# KiCad board TI-CUBE-Protoboard.kicad_pcb (continued)
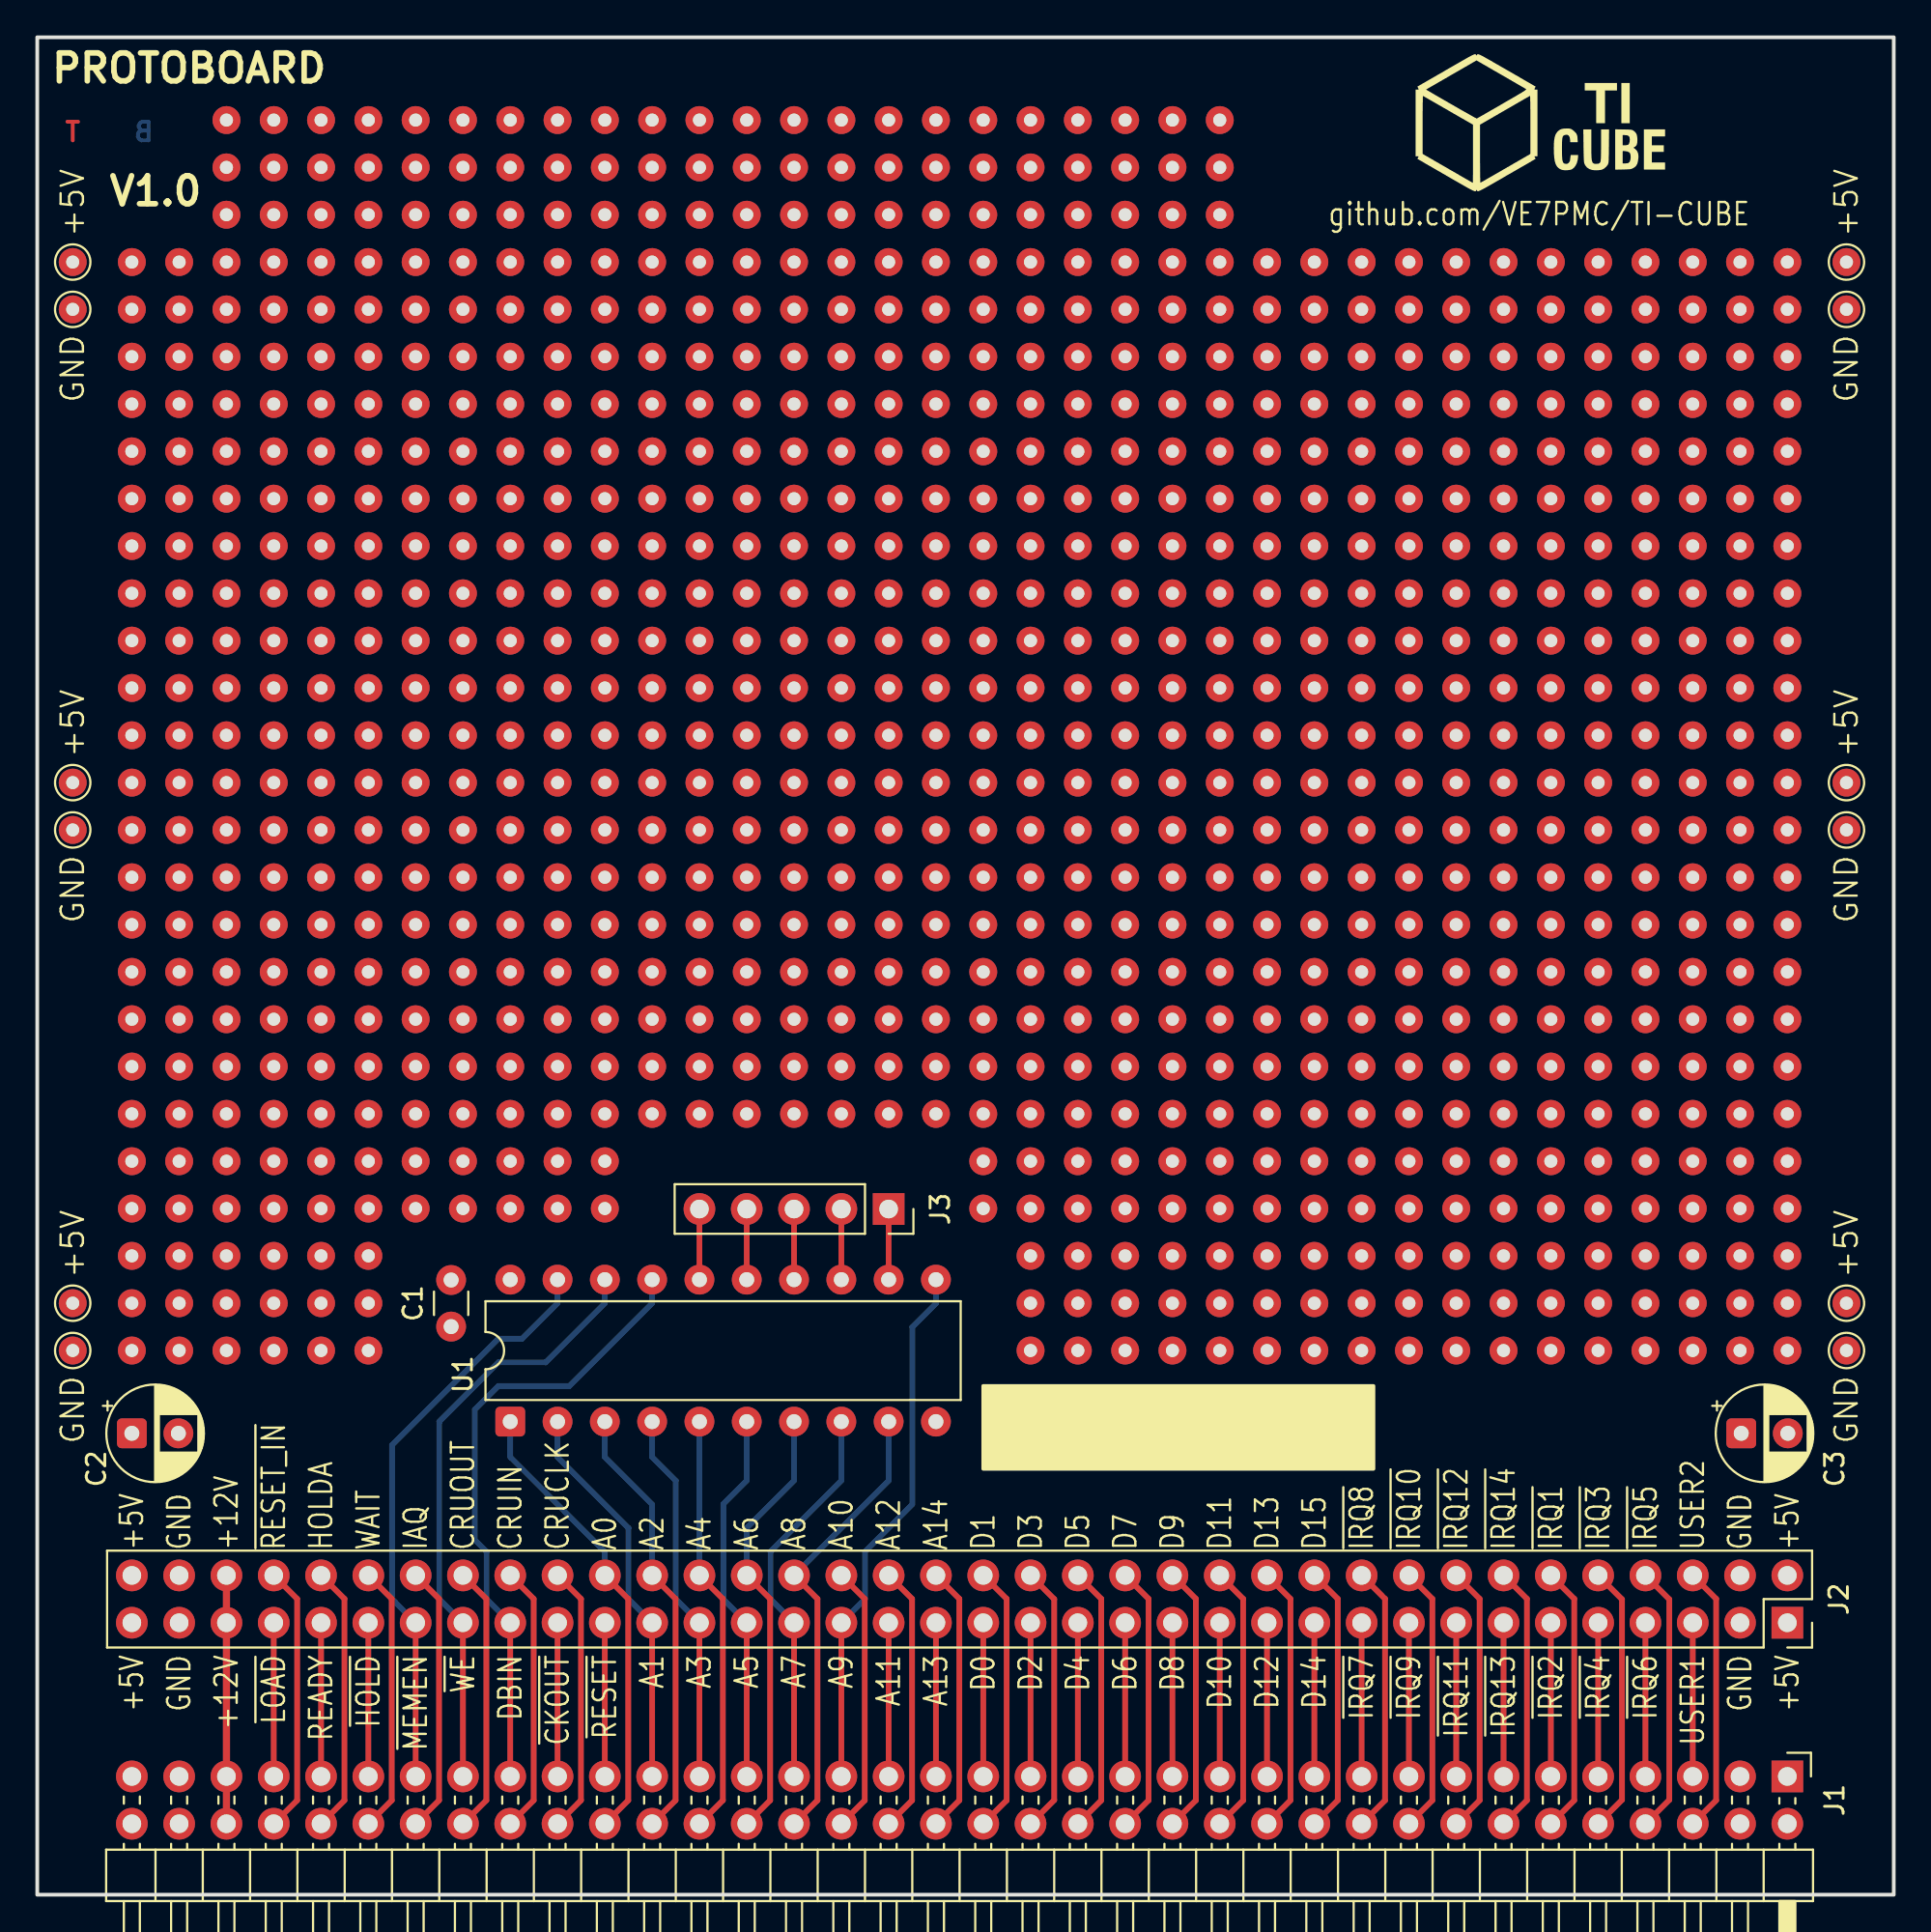
[diagram p0: board, top side]
## Placement (name value [footprint] x y rotation side) (continued)
REF**#238  -  [TestPoint_THTPad_D1.5mm_Drill0.7mm]  15.24 85.09 0 top
REF**#239  -  [TestPoint_THTPad_D1.5mm_Drill0.7mm]  88.9 54.61 0 top
REF**#240  -  [TestPoint_THTPad_D1.5mm_Drill0.7mm]  35.56 62.23 0 top
REF**#241  -  [TestPoint_THTPad_D1.5mm_Drill0.7mm]  5.08 52.07 0 top
REF**#242  -  [TestPoint_THTPad_D1.5mm_Drill0.7mm]  93.98 67.31 0 top
REF**#243  -  [TestPoint_THTPad_D1.5mm_Drill0.7mm]  7.62 54.61 0 top
REF**#244  -  [TestPoint_THTPad_D1.5mm_Drill0.7mm]  93.98 82.55 0 top
REF**#245  -  [TestPoint_THTPad_D1.5mm_Drill0.7mm]  50.8 64.77 0 top
REF**#246  -  [TestPoint_THTPad_D1.5mm_Drill0.7mm]  22.86 90.17 0 top
REF**#247  -  [TestPoint_THTPad_D1.5mm_Drill0.7mm]  30.48 74.93 0 top
REF**#248  -  [TestPoint_THTPad_D1.5mm_Drill0.7mm]  50.8 57.15 0 top
REF**#249  -  [TestPoint_THTPad_D1.5mm_Drill0.7mm]  58.42 69.85 0 top
REF**#250  -  [TestPoint_THTPad_D1.5mm_Drill0.7mm]  81.28 49.53 0 top
REF**#251  -  [TestPoint_THTPad_D1.5mm_Drill0.7mm]  81.28 31.75 0 top
REF**#252  -  [TestPoint_THTPad_D1.5mm_Drill0.7mm]  50.8 49.53 0 top
REF**#253  -  [TestPoint_THTPad_D1.5mm_Drill0.7mm]  22.86 67.31 0 top
REF**#254  -  [TestPoint_THTPad_D1.5mm_Drill0.7mm]  63.5 80.01 0 top
REF**#255  -  [TestPoint_THTPad_D1.5mm_Drill0.7mm]  45.72 64.77 0 top
REF**#256  -  [TestPoint_THTPad_D1.5mm_Drill0.7mm]  88.9 85.09 0 top
REF**#257  -  [TestPoint_THTPad_D1.5mm_Drill0.7mm]  38.1 46.99 0 top
REF**#258  -  [TestPoint_THTPad_D1.5mm_Drill0.7mm]  91.44 77.47 0 top
REF**#259  -  [TestPoint_THTPad_D1.5mm_Drill0.7mm]  66.04 54.61 0 top
REF**#260  -  [TestPoint_THTPad_D1.5mm_Drill0.7mm]  33.02 90.17 0 top
REF**#261  -  [TestPoint_THTPad_D1.5mm_Drill0.7mm]  66.04 52.07 0 top
REF**#262  -  [TestPoint_THTPad_D1.5mm_Drill0.7mm]  71.12 59.69 0 top
REF**#263  -  [TestPoint_THTPad_D1.5mm_Drill0.7mm]  17.78 74.93 0 top
REF**#264  -  [TestPoint_THTPad_D1.5mm_Drill0.7mm]  78.74 44.45 0 top
REF**#265  -  [TestPoint_THTPad_D1.5mm_Drill0.7mm]  83.82 69.85 0 top
REF**#266  -  [TestPoint_THTPad_D1.5mm_Drill0.7mm]  40.64 59.69 0 top
REF**#267  -  [TestPoint_THTPad_D1.5mm_Drill0.7mm]  12.7 64.77 0 top
REF**#268  -  [TestPoint_THTPad_D1.5mm_Drill0.7mm]  71.12 69.85 0 top
REF**#269  -  [TestPoint_THTPad_D1.5mm_Drill0.7mm]  88.9 64.77 0 top
REF**#270  -  [TestPoint_THTPad_D1.5mm_Drill0.7mm]  88.9 87.63 0 top
REF**#271  -  [TestPoint_THTPad_D1.5mm_Drill0.7mm]  58.42 52.07 0 top
REF**#272  -  [TestPoint_THTPad_D1.5mm_Drill0.7mm]  17.78 52.07 0 top
REF**#273  -  [TestPoint_THTPad_D1.5mm_Drill0.7mm]  15.24 90.17 0 top
REF**#274  -  [TestPoint_THTPad_D1.5mm_Drill0.7mm]  15.24 34.29 0 top
REF**#275  -  [TestPoint_THTPad_D1.5mm_Drill0.7mm]  17.78 36.83 0 top
REF**#276  -  [TestPoint_THTPad_D1.5mm_Drill0.7mm]  38.1 72.39 0 top
REF**#277  -  [TestPoint_THTPad_D1.5mm_Drill0.7mm]  12.7 44.45 0 top
REF**#278  -  [TestPoint_THTPad_D1.5mm_Drill0.7mm]  43.18 80.01 0 top
REF**#279  -  [TestPoint_THTPad_D1.5mm_Drill0.7mm]  66.04 74.93 0 top
REF**#280  -  [TestPoint_THTPad_D1.5mm_Drill0.7mm]  20.32 64.77 0 top
REF**#281  -  [TestPoint_THTPad_D1.5mm_Drill0.7mm]  30.48 72.39 0 top
REF**#282  -  [TestPoint_THTPad_D1.5mm_Drill0.7mm]  43.18 90.17 0 top
REF**#283  -  [TestPoint_THTPad_D1.5mm_Drill0.7mm]  88.9 74.93 0 top
REF**#284  -  [TestPoint_THTPad_D1.5mm_Drill0.7mm]  35.56 44.45 0 top
REF**#285  -  [TestPoint_THTPad_D1.5mm_Drill0.7mm]  76.2 52.07 0 top
REF**#286  -  [TestPoint_THTPad_D1.5mm_Drill0.7mm]  76.2 34.29 0 top
REF**#287  -  [TestPoint_THTPad_D1.5mm_Drill0.7mm]  50.8 80.01 0 top
REF**#288  -  [TestPoint_THTPad_D1.5mm_Drill0.7mm]  88.9 57.15 0 top
REF**#289  -  [TestPoint_THTPad_D1.5mm_Drill0.7mm]  27.94 44.45 0 top
REF**#290  -  [TestPoint_THTPad_D1.5mm_Drill0.7mm]  55.88 85.09 0 top
REF**#291  -  [TestPoint_THTPad_D1.5mm_Drill0.7mm]  53.34 85.09 0 top
REF**#292  -  [TestPoint_THTPad_D1.5mm_Drill0.7mm]  43.18 46.99 0 top
REF**#293  -  [TestPoint_THTPad_D1.5mm_Drill0.7mm]  45.72 95.25 0 top
REF**#294  -  [TestPoint_THTPad_D1.5mm_Drill0.7mm]  43.18 92.71 0 top
REF**#295  -  [TestPoint_THTPad_D1.5mm_Drill0.7mm]  53.34 77.47 0 top
REF**#296  -  [TestPoint_THTPad_D1.5mm_Drill0.7mm]  63.5 29.21 0 top
REF**#297  -  [TestPoint_THTPad_D1.5mm_Drill0.7mm]  45.72 59.69 0 top
REF**#298  -  [TestPoint_THTPad_D1.5mm_Drill0.7mm]  81.28 85.09 0 top
REF**#299  -  [TestPoint_THTPad_D1.5mm_Drill0.7mm]  17.78 46.99 0 top
REF**#300  -  [TestPoint_THTPad_D1.5mm_Drill0.7mm]  78.74 36.83 0 top
REF**#301  -  [TestPoint_THTPad_D1.5mm_Drill0.7mm]  68.58 82.55 0 top
REF**#302  -  [TestPoint_THTPad_D1.5mm_Drill0.7mm]  15.24 87.63 0 top
REF**#303  -  [TestPoint_THTPad_D1.5mm_Drill0.7mm]  88.9 36.83 0 top
REF**#304  -  [TestPoint_THTPad_D1.5mm_Drill0.7mm]  25.4 82.55 0 top
REF**#305  -  [TestPoint_THTPad_D1.5mm_Drill0.7mm]  81.28 41.91 0 top
REF**#306  -  [TestPoint_THTPad_D1.5mm_Drill0.7mm]  27.94 52.07 0 top
REF**#307  -  [TestPoint_THTPad_D1.5mm_Drill0.7mm]  38.1 49.53 0 top
REF**#308  -  [TestPoint_THTPad_D1.5mm_Drill0.7mm]  68.58 72.39 0 top
REF**#309  -  [TestPoint_THTPad_D1.5mm_Drill0.7mm]  76.2 87.63 0 top
REF**#310  -  [TestPoint_THTPad_D1.5mm_Drill0.7mm]  48.26 82.55 0 top
REF**#311  -  [TestPoint_THTPad_D1.5mm_Drill0.7mm]  76.2 74.93 0 top
REF**#312  -  [TestPoint_THTPad_D1.5mm_Drill0.7mm]  86.36 52.07 0 top
REF**#313  -  [TestPoint_THTPad_D1.5mm_Drill0.7mm]  63.5 72.39 0 top
REF**#314  -  [TestPoint_THTPad_D1.5mm_Drill0.7mm]  27.94 90.17 0 top
REF**#315  -  [TestPoint_THTPad_D1.5mm_Drill0.7mm]  35.56 41.91 0 top
REF**#316  -  [TestPoint_THTPad_D1.5mm_Drill0.7mm]  17.78 57.15 0 top
REF**#317  -  [TestPoint_THTPad_D1.5mm_Drill0.7mm]  50.8 74.93 0 top
REF**#318  -  [TestPoint_THTPad_D1.5mm_Drill0.7mm]  20.32 72.39 0 top
REF**#319  -  [TestPoint_THTPad_D1.5mm_Drill0.7mm]  55.88 59.69 0 top
REF**#320  -  [TestPoint_THTPad_D1.5mm_Drill0.7mm]  68.58 29.21 0 top
REF**#321  -  [TestPoint_THTPad_D1.5mm_Drill0.7mm]  33.02 52.07 0 top
REF**#322  -  [TestPoint_THTPad_D1.5mm_Drill0.7mm]  88.9 77.47 0 top
REF**#323  -  [TestPoint_THTPad_D1.5mm_Drill0.7mm]  58.42 36.83 0 top
REF**#324  -  [TestPoint_THTPad_D1.5mm_Drill0.7mm]  53.34 44.45 0 top
REF**#325  -  [TestPoint_THTPad_D1.5mm_Drill0.7mm]  33.02 46.99 0 top
REF**#326  -  [TestPoint_THTPad_D1.5mm_Drill0.7mm]  10.16 80.01 0 top
REF**#327  -  [TestPoint_THTPad_D1.5mm_Drill0.7mm]  76.2 67.31 0 top
REF**#328  -  [TestPoint_THTPad_D1.5mm_Drill0.7mm]  73.66 74.93 0 top
REF**#329  -  [TestPoint_THTPad_D1.5mm_Drill0.7mm]  20.32 46.99 0 top
REF**#330  -  [TestPoint_THTPad_D1.5mm_Drill0.7mm]  22.86 82.55 0 top
REF**#331  -  [TestPoint_THTPad_D1.5mm_Drill0.7mm]  12.7 36.83 0 top
REF**#332  -  [TestPoint_THTPad_D1.5mm_Drill0.7mm]  20.32 87.63 0 top
REF**#333  -  [TestPoint_THTPad_D1.5mm_Drill0.7mm]  50.8 62.23 0 top
REF**#334  -  [TestPoint_THTPad_D1.5mm_Drill0.7mm]  78.74 29.21 0 top
REF**#335  -  [TestPoint_THTPad_D1.5mm_Drill0.7mm]  76.2 44.45 0 top
REF**#336  -  [TestPoint_THTPad_D1.5mm_Drill0.7mm]  5.08 59.69 0 top
REF**#337  -  [TestPoint_THTPad_D1.5mm_Drill0.7mm]  60.96 46.99 0 top
REF**#338  -  [TestPoint_THTPad_D1.5mm_Drill0.7mm]  40.64 72.39 0 top
REF**#339  -  [TestPoint_THTPad_D1.5mm_Drill0.7mm]  73.66 41.91 0 top
REF**#340  -  [TestPoint_THTPad_D1.5mm_Drill0.7mm]  38.1 44.45 0 top
REF**#341  -  [TestPoint_THTPad_D1.5mm_Drill0.7mm]  7.62 41.91 0 top
REF**#342  -  [TestPoint_THTPad_D1.5mm_Drill0.7mm]  53.34 31.75 0 top
REF**#343  -  [TestPoint_THTPad_D1.5mm_Drill0.7mm]  12.7 72.39 0 top
REF**#344  -  [TestPoint_THTPad_D1.5mm_Drill0.7mm]  40.64 69.85 0 top
REF**#345  -  [TestPoint_THTPad_D1.5mm_Drill0.7mm]  50.8 59.69 0 top
REF**#346  -  [TestPoint_THTPad_D1.5mm_Drill0.7mm]  58.42 92.71 0 top
REF**#347  -  [TestPoint_THTPad_D1.5mm_Drill0.7mm]  63.5 92.71 0 top
REF**#348  -  [TestPoint_THTPad_D1.5mm_Drill0.7mm]  58.42 62.23 0 top
REF**#349  -  [TestPoint_THTPad_D1.5mm_Drill0.7mm]  17.78 85.09 0 top
REF**#350  -  [TestPoint_THTPad_D1.5mm_Drill0.7mm]  91.44 34.29 0 top
REF**#351  -  [TestPoint_THTPad_D1.5mm_Drill0.7mm]  60.96 54.61 0 top
REF**#352  -  [TestPoint_THTPad_D1.5mm_Drill0.7mm]  71.12 82.55 0 top
REF**#353  -  [TestPoint_THTPad_D1.5mm_Drill0.7mm]  48.26 92.71 0 top
REF**#354  -  [TestPoint_THTPad_D1.5mm_Drill0.7mm]  5.08 69.85 0 top
REF**#355  -  [TestPoint_THTPad_D1.5mm_Drill0.7mm]  68.58 67.31 0 top
REF**#356  -  [TestPoint_THTPad_D1.5mm_Drill0.7mm]  10.16 72.39 0 top
REF**#357  -  [TestPoint_THTPad_D1.5mm_Drill0.7mm]  68.58 52.07 0 top
REF**#358  -  [TestPoint_THTPad_D1.5mm_Drill0.7mm]  55.88 31.75 0 top
REF**#359  -  [TestPoint_THTPad_D1.5mm_Drill0.7mm]  17.78 29.21 0 top
REF**#360  -  [TestPoint_THTPad_D1.5mm_Drill0.7mm]  58.42 90.17 0 top
REF**#361  -  [TestPoint_THTPad_D1.5mm_Drill0.7mm]  7.62 34.29 0 top
REF**#362  -  [TestPoint_THTPad_D1.5mm_Drill0.7mm]  5.08 74.93 0 top
REF**#363  -  [TestPoint_THTPad_D1.5mm_Drill0.7mm]  33.02 74.93 0 top
REF**#364  -  [TestPoint_THTPad_D1.5mm_Drill0.7mm]  71.12 41.91 0 top
REF**#365  -  [TestPoint_THTPad_D1.5mm_Drill0.7mm]  86.36 31.75 0 top
REF**#366  -  [TestPoint_THTPad_D1.5mm_Drill0.7mm]  55.88 39.37 0 top
REF**#367  -  [TestPoint_THTPad_D1.5mm_Drill0.7mm]  25.4 74.93 0 top
REF**#368  -  [TestPoint_THTPad_D1.5mm_Drill0.7mm]  48.26 62.23 0 top
REF**#369  -  [TestPoint_THTPad_D1.5mm_Drill0.7mm]  20.32 49.53 0 top
REF**#370  -  [TestPoint_THTPad_D1.5mm_Drill0.7mm]  50.8 90.17 0 top
REF**#371  -  [TestPoint_THTPad_D1.5mm_Drill0.7mm]  48.26 49.53 0 top
REF**#372  -  [TestPoint_THTPad_D1.5mm_Drill0.7mm]  35.56 90.17 0 top
REF**#373  -  [TestPoint_THTPad_D1.5mm_Drill0.7mm]  60.96 31.75 0 top
REF**#374  -  [TestPoint_THTPad_D1.5mm_Drill0.7mm]  30.48 44.45 0 top
REF**#375  -  [TestPoint_THTPad_D1.5mm_Drill0.7mm]  15.24 67.31 0 top
REF**#376  -  [TestPoint_THTPad_D1.5mm_Drill0.7mm]  43.18 77.47 0 top
REF**#377  -  [TestPoint_THTPad_D1.5mm_Drill0.7mm]  91.44 57.15 0 top
REF**#378  -  [TestPoint_THTPad_D1.5mm_Drill0.7mm]  43.18 54.61 0 top
REF**#379  -  [TestPoint_THTPad_D1.5mm_Drill0.7mm]  27.94 39.37 0 top
REF**#380  -  [TestPoint_THTPad_D1.5mm_Drill0.7mm]  53.34 95.25 0 top
REF**#381  -  [TestPoint_THTPad_D1.5mm_Drill0.7mm]  58.42 74.93 0 top
REF**#382  -  [TestPoint_THTPad_D1.5mm_Drill0.7mm]  63.5 77.47 0 top
REF**#383  -  [TestPoint_THTPad_D1.5mm_Drill0.7mm]  50.8 54.61 0 top
REF**#384  -  [TestPoint_THTPad_D1.5mm_Drill0.7mm]  48.26 54.61 0 top
REF**#385  -  [TestPoint_THTPad_D1.5mm_Drill0.7mm]  38.1 54.61 0 top
REF**#386  -  [TestPoint_THTPad_D1.5mm_Drill0.7mm]  25.4 52.07 0 top
REF**#387  -  [TestPoint_THTPad_D1.5mm_Drill0.7mm]  25.4 95.25 0 top
REF**#388  -  [TestPoint_THTPad_D1.5mm_Drill0.7mm]  68.58 39.37 0 top
REF**#389  -  [TestPoint_THTPad_D1.5mm_Drill0.7mm]  45.72 90.17 0 top
REF**#390  -  [TestPoint_THTPad_D1.5mm_Drill0.7mm]  73.66 39.37 0 top
REF**#391  -  [TestPoint_THTPad_D1.5mm_Drill0.7mm]  20.32 54.61 0 top
REF**#392  -  [TestPoint_THTPad_D1.5mm_Drill0.7mm]  60.96 82.55 0 top
REF**#393  -  [TestPoint_THTPad_D1.5mm_Drill0.7mm]  88.9 59.69 0 top
REF**#394  -  [TestPoint_THTPad_D1.5mm_Drill0.7mm]  81.28 44.45 0 top
REF**#395  -  [TestPoint_THTPad_D1.5mm_Drill0.7mm]  63.5 67.31 0 top
REF**#396  -  [TestPoint_THTPad_D1.5mm_Drill0.7mm]  55.88 29.21 0 top
REF**#397  -  [TestPoint_THTPad_D1.5mm_Drill0.7mm]  27.94 41.91 0 top
REF**#398  -  [TestPoint_THTPad_D1.5mm_Drill0.7mm]  66.04 62.23 0 top
REF**#399  -  [TestPoint_THTPad_D1.5mm_Drill0.7mm]  33.02 64.77 0 top
REF**#400  -  [TestPoint_THTPad_D1.5mm_Drill0.7mm]  40.64 49.53 0 top
REF**#401  -  [TestPoint_THTPad_D1.5mm_Drill0.7mm]  53.34 92.71 0 top
REF**#402  -  [TestPoint_THTPad_D1.5mm_Drill0.7mm]  88.9 72.39 0 top
REF**#403  -  [TestPoint_THTPad_D1.5mm_Drill0.7mm]  45.72 82.55 0 top
REF**#404  -  [TestPoint_THTPad_D1.5mm_Drill0.7mm]  43.18 52.07 0 top
REF**#405  -  [TestPoint_THTPad_D1.5mm_Drill0.7mm]  25.4 92.71 0 top
REF**#406  -  [TestPoint_THTPad_D1.5mm_Drill0.7mm]  76.2 77.47 0 top
REF**#407  -  [TestPoint_THTPad_D1.5mm_Drill0.7mm]  33.02 82.55 0 top
REF**#408  -  [TestPoint_THTPad_D1.5mm_Drill0.7mm]  38.1 57.15 0 top
REF**#409  -  [TestPoint_THTPad_D1.5mm_Drill0.7mm]  93.98 39.37 0 top
REF**#410  -  [TestPoint_THTPad_D1.5mm_Drill0.7mm]  91.44 52.07 0 top
REF**#411  -  [TestPoint_THTPad_D1.5mm_Drill0.7mm]  10.16 54.61 0 top
REF**#412  -  [TestPoint_THTPad_D1.5mm_Drill0.7mm]  71.12 34.29 0 top
REF**#413  -  [TestPoint_THTPad_D1.5mm_Drill0.7mm]  58.42 57.15 0 top
REF**#414  -  [TestPoint_THTPad_D1.5mm_Drill0.7mm]  12.7 54.61 0 top
REF**#415  -  [TestPoint_THTPad_D1.5mm_Drill0.7mm]  7.62 44.45 0 top
REF**#416  -  [TestPoint_THTPad_D1.5mm_Drill0.7mm]  20.32 95.25 0 top
REF**#417  -  [TestPoint_THTPad_D1.5mm_Drill0.7mm]  22.86 64.77 0 top
REF**#418  -  [TestPoint_THTPad_D1.5mm_Drill0.7mm]  17.78 54.61 0 top
REF**#419  -  [TestPoint_THTPad_D1.5mm_Drill0.7mm]  17.78 49.53 0 top
REF**#420  -  [TestPoint_THTPad_D1.5mm_Drill0.7mm]  30.48 57.15 0 top
REF**#421  -  [TestPoint_THTPad_D1.5mm_Drill0.7mm]  63.5 87.63 0 top
REF**#422  -  [TestPoint_THTPad_D1.5mm_Drill0.7mm]  71.12 39.37 0 top
REF**#423  -  [TestPoint_THTPad_D1.5mm_Drill0.7mm]  78.74 69.85 0 top
REF**#424  -  [TestPoint_THTPad_D1.5mm_Drill0.7mm]  78.74 39.37 0 top
REF**#425  -  [TestPoint_THTPad_D1.5mm_Drill0.7mm]  86.36 80.01 0 top
REF**#426  -  [TestPoint_THTPad_D1.5mm_Drill0.7mm]  5.08 39.37 0 top
REF**#427  -  [TestPoint_THTPad_D1.5mm_Drill0.7mm]  10.16 90.17 0 top
REF**#428  -  [TestPoint_THTPad_D1.5mm_Drill0.7mm]  5.08 62.23 0 top
REF**#429  -  [TestPoint_THTPad_D1.5mm_Drill0.7mm]  38.1 59.69 0 top
REF**#430  -  [TestPoint_THTPad_D1.5mm_Drill0.7mm]  22.86 77.47 0 top
REF**#431  -  [TestPoint_THTPad_D1.5mm_Drill0.7mm]  81.28 57.15 0 top
REF**#432  -  [TestPoint_THTPad_D1.5mm_Drill0.7mm]  20.32 36.83 0 top
REF**#433  -  [TestPoint_THTPad_D1.5mm_Drill0.7mm]  76.2 62.23 0 top
REF**#434  -  [TestPoint_THTPad_D1.5mm_Drill0.7mm]  40.64 90.17 0 top
REF**#435  -  [TestPoint_THTPad_D1.5mm_Drill0.7mm]  40.64 77.47 0 top
REF**#436  -  [TestPoint_THTPad_D1.5mm_Drill0.7mm]  93.98 41.91 0 top
REF**#437  -  [TestPoint_THTPad_D1.5mm_Drill0.7mm]  68.58 36.83 0 top
REF**#438  -  [TestPoint_THTPad_D1.5mm_Drill0.7mm]  73.66 54.61 0 top
REF**#439  -  [TestPoint_THTPad_D1.5mm_Drill0.7mm]  86.36 67.31 0 top
REF**#440  -  [TestPoint_THTPad_D1.5mm_Drill0.7mm]  71.12 74.93 0 top
REF**#441  -  [TestPoint_THTPad_D1.5mm_Drill0.7mm]  58.42 46.99 0 top
REF**#442  -  [TestPoint_THTPad_D1.5mm_Drill0.7mm]  48.26 67.31 0 top
REF**#443  -  [TestPoint_THTPad_D1.5mm_Drill0.7mm]  25.4 67.31 0 top
REF**#444  -  [TestPoint_THTPad_D1.5mm_Drill0.7mm]  60.96 87.63 0 top
REF**#445  -  [TestPoint_THTPad_D1.5mm_Drill0.7mm]  60.96 85.09 0 top
REF**#446  -  [TestPoint_THTPad_D1.5mm_Drill0.7mm]  20.32 74.93 0 top
REF**#447  -  [TestPoint_THTPad_D1.5mm_Drill0.7mm]  7.62 64.77 0 top
REF**#448  -  [TestPoint_THTPad_D1.5mm_Drill0.7mm]  53.34 34.29 0 top
REF**#449  -  [TestPoint_THTPad_D1.5mm_Drill0.7mm]  22.86 57.15 0 top
REF**#450  -  [TestPoint_THTPad_D1.5mm_Drill0.7mm]  43.18 82.55 0 top
REF**#451  -  [TestPoint_THTPad_D1.5mm_Drill0.7mm]  91.44 59.69 0 top
REF**#452  -  [TestPoint_THTPad_D1.5mm_Drill0.7mm]  76.2 49.53 0 top
REF**#453  -  [TestPoint_THTPad_D1.5mm_Drill0.7mm]  10.16 44.45 0 top
REF**#454  -  [TestPoint_THTPad_D1.5mm_Drill0.7mm]  25.4 80.01 0 top
REF**#455  -  [TestPoint_THTPad_D1.5mm_Drill0.7mm]  45.72 52.07 0 top
REF**#456  -  [TestPoint_THTPad_D1.5mm_Drill0.7mm]  27.94 64.77 0 top
REF**#457  -  [TestPoint_THTPad_D1.5mm_Drill0.7mm]  10.16 59.69 0 top
REF**#458  -  [TestPoint_THTPad_D1.5mm_Drill0.7mm]  63.5 74.93 0 top
REF**#459  -  [TestPoint_THTPad_D1.5mm_Drill0.7mm]  35.56 59.69 0 top
REF**#460  -  [TestPoint_THTPad_D1.5mm_Drill0.7mm]  43.18 74.93 0 top
REF**#461  -  [LayerMarker_4_6.35x2.54mm_TextH1mm_P1.27mm_Named_BottomMirrored]  1.91 93.35 0 top
REF**#462  -  [TestPoint_THTPad_D1.5mm_Drill0.7mm]  55.88 82.55 0 top
REF**#463  -  [TestPoint_THTPad_D1.5mm_Drill0.7mm]  33.02 44.45 0 top
REF**#464  -  [TestPoint_THTPad_D1.5mm_Drill0.7mm]  91.44 69.85 0 top
REF**#465  -  [TestPoint_THTPad_D1.5mm_Drill0.7mm]  76.2 54.61 0 top
REF**#466  -  [TestPoint_THTPad_D1.5mm_Drill0.7mm]  7.62 36.83 0 top
REF**#467  -  [TestPoint_THTPad_D1.5mm_Drill0.7mm]  25.4 46.99 0 top
REF**#468  -  [TestPoint_THTPad_D1.5mm_Drill0.7mm]  15.24 29.21 0 top
REF**#469  -  [TestPoint_THTPad_D1.5mm_Drill0.7mm]  45.72 49.53 0 top
REF**#470  -  [TestPoint_THTPad_D1.5mm_Drill0.7mm]  30.48 82.55 0 top
REF**#471  -  [TestPoint_THTPad_D1.5mm_Drill0.7mm]  53.34 82.55 0 top
REF**#472  -  [TestPoint_THTPad_D1.5mm_Drill0.7mm]  48.26 41.91 0 top
REF**#473  -  [TestPoint_THTPad_D1.5mm_Drill0.7mm]  38.1 80.01 0 top
REF**#474  -  [TestPoint_THTPad_D1.5mm_Drill0.7mm]  12.7 49.53 0 top
REF**#475  -  [TestPoint_THTPad_D1.5mm_Drill0.7mm]  12.7 80.01 0 top
REF**#476  -  [TestPoint_THTPad_D1.5mm_Drill0.7mm]  91.44 44.45 0 top
REF**#477  -  [TestPoint_THTPad_D1.5mm_Drill0.7mm]  58.42 64.77 0 top
REF**#478  -  [TestPoint_THTPad_D1.5mm_Drill0.7mm]  73.66 64.77 0 top
REF**#479  -  [TestPoint_THTPad_D1.5mm_Drill0.7mm]  17.78 64.77 0 top
REF**#480  -  [TestPoint_THTPad_D1.5mm_Drill0.7mm]  5.08 34.29 0 top
REF**#481  -  [TestPoint_THTPad_D1.5mm_Drill0.7mm]  53.34 36.83 0 top
REF**#482  -  [TestPoint_THTPad_D1.5mm_Drill0.7mm]  17.78 72.39 0 top
REF**#483  -  [TestPoint_THTPad_D1.5mm_Drill0.7mm]  63.5 82.55 0 top
REF**#484  -  [TestPoint_THTPad_D1.5mm_Drill0.7mm]  5.08 67.31 0 top
REF**#485  -  [TestPoint_THTPad_D1.5mm_Drill0.7mm]  63.5 69.85 0 top
REF**#486  -  [TestPoint_THTPad_D1.5mm_Drill0.7mm]  22.86 87.63 0 top
REF**#487  -  [TestPoint_THTPad_D1.5mm_Drill0.7mm]  58.42 49.53 0 top
REF**#488  -  [TestPoint_THTPad_D1.5mm_Drill0.7mm]  63.5 54.61 0 top
REF**#489  -  [TestPoint_THTPad_D1.5mm_Drill0.7mm]  7.62 46.99 0 top
REF**#490  -  [TestPoint_THTPad_D1.5mm_Drill0.7mm]  78.74 77.47 0 top
REF**#491  -  [TestPoint_THTPad_D1.5mm_Drill0.7mm]  60.96 72.39 0 top
REF**#492  -  [TestPoint_THTPad_D1.5mm_Drill0.7mm]  17.78 39.37 0 top
REF**#493  -  [TestPoint_THTPad_D1.5mm_Drill0.7mm]  15.24 36.83 0 top
REF**#494  -  [TestPoint_THTPad_D1.5mm_Drill0.7mm]  10.16 92.71 0 top
REF**#495  -  [TestPoint_THTPad_D1.5mm_Drill0.7mm]  93.98 54.61 0 top
REF**#496  -  [TestPoint_THTPad_D1.5mm_Drill0.7mm]  86.36 62.23 0 top
REF**#497  -  [TestPoint_THTPad_D1.5mm_Drill0.7mm]  10.16 77.47 0 top
REF**#498  -  [TestPoint_THTPad_D1.5mm_Drill0.7mm]  25.4 39.37 0 top
REF**#499  -  [TestPoint_THTPad_D1.5mm_Drill0.7mm]  22.86 39.37 0 top
REF**#500  -  [TestPoint_THTPad_D1.5mm_Drill0.7mm]  55.88 92.71 0 top
REF**#501  -  [TestPoint_THTPad_D1.5mm_Drill0.7mm]  15.24 31.75 0 top
REF**#502  -  [TestPoint_THTPad_D1.5mm_Drill0.7mm]  7.62 52.07 0 top
REF**#503  -  [TestPoint_THTPad_D1.5mm_Drill0.7mm]  63.5 52.07 0 top
REF**#504  -  [TestPoint_THTPad_D1.5mm_Drill0.7mm]  76.2 80.01 0 top
REF**#505  -  [TestPoint_THTPad_D1.5mm_Drill0.7mm]  58.42 95.25 0 top
REF**#506  -  [TestPoint_THTPad_D1.5mm_Drill0.7mm]  15.24 46.99 0 top
REF**#507  -  [TestPoint_THTPad_D1.5mm_Drill0.7mm]  30.48 87.63 0 top
REF**#508  -  [TestPoint_THTPad_D1.5mm_Drill0.7mm]  15.24 52.07 0 top
REF**#509  -  [TestPoint_THTPad_D1.5mm_Drill0.7mm]  66.04 46.99 0 top
REF**#510  -  [TestPoint_THTPad_D1.5mm_Drill0.7mm]  93.98 34.29 0 top
REF**#511  -  [TestPoint_THTPad_D1.5mm_Drill0.7mm]  33.02 41.91 0 top
REF**#512  -  [TestPoint_THTPad_D1.5mm_Drill0.7mm]  53.34 64.77 0 top
REF**#513  -  [TestPoint_THTPad_D1.5mm_Drill0.7mm]  86.36 82.55 0 top
REF**#514  -  [TestPoint_THTPad_D1.5mm_Drill0.7mm]  76.2 59.69 0 top
REF**#515  -  [TestPoint_THTPad_D1.5mm_Drill0.7mm]  86.36 44.45 0 top
REF**#516  -  [TestPoint_THTPad_D1.5mm_Drill0.7mm]  73.66 46.99 0 top
REF**#517  -  [TestPoint_THTPad_D1.5mm_Drill0.7mm]  43.18 64.77 0 top
REF**#518  -  [TestPoint_THTPad_D1.5mm_Drill0.7mm]  33.02 69.85 0 top
REF**#519  -  [TestPoint_THTPad_D1.5mm_Drill0.7mm]  43.18 62.23 0 top
REF**#520  -  [TestPoint_THTPad_D1.5mm_Drill0.7mm]  48.26 52.07 0 top
REF**#521  -  [TestPoint_THTPad_D1.5mm_Drill0.7mm]  38.1 74.93 0 top
REF**#522  -  [TestPoint_THTPad_D1.5mm_Drill0.7mm]  15.24 49.53 0 top
REF**#523  -  [TestPoint_THTPad_D1.5mm_Drill0.7mm]  93.98 64.77 0 top
REF**#524  -  [TestPoint_THTPad_D1.5mm_Drill0.7mm]  55.88 64.77 0 top
REF**#525  -  [TestPoint_THTPad_D1.5mm_Drill0.7mm]  71.12 57.15 0 top
REF**#526  -  [TestPoint_THTPad_D1.5mm_Drill0.7mm]  63.5 39.37 0 top
REF**#527  -  [TestPoint_THTPad_D1.5mm_Drill0.7mm]  35.56 67.31 0 top
REF**#528  -  [TestPoint_THTPad_D1.5mm_Drill0.7mm]  88.9 69.85 0 top
REF**#529  -  [TestPoint_THTPad_D1.5mm_Drill0.7mm]  71.12 67.31 0 top
REF**#530  -  [TestPoint_THTPad_D1.5mm_Drill0.7mm]  86.36 72.39 0 top
REF**#531  -  [TestPoint_THTPad_D1.5mm_Drill0.7mm]  71.12 80.01 0 top
REF**#532  -  [TestPoint_THTPad_D1.5mm_Drill0.7mm]  83.82 46.99 0 top
REF**#533  -  [TestPoint_THTPad_D1.5mm_Drill0.7mm]  71.12 54.61 0 top
REF**#534  -  [TestPoint_THTPad_D1.5mm_Drill0.7mm]  63.5 41.91 0 top
REF**#535  -  [TestPoint_THTPad_D1.5mm_Drill0.7mm]  10.16 57.15 0 top
REF**#536  -  [TestPoint_THTPad_D1.5mm_Drill0.7mm]  45.72 80.01 0 top
REF**#537  -  [TestPoint_THTPad_D1.5mm_Drill0.7mm]  91.44 74.93 0 top
REF**#538  -  [TestPoint_THTPad_D1.5mm_Drill0.7mm]  86.36 46.99 0 top
REF**#539  -  [TestPoint_THTPad_D1.5mm_Drill0.7mm]  40.64 67.31 0 top
REF**#540  -  [TestPoint_THTPad_D1.5mm_Drill0.7mm]  33.02 57.15 0 top
REF**#541  -  [TestPoint_THTPad_D1.5mm_Drill0.7mm]  12.7 46.99 0 top
REF**#542  -  [TestPoint_THTPad_D1.5mm_Drill0.7mm]  10.16 64.77 0 top
REF**#543  -  [TestPoint_THTPad_D1.5mm_Drill0.7mm]  10.16 52.07 0 top
REF**#544  -  [TestPoint_THTPad_D1.5mm_Drill0.7mm]  5.08 87.63 0 top
REF**#545  -  [TestPoint_THTPad_D1.5mm_Drill0.7mm]  45.72 57.15 0 top
REF**#546  -  [TestPoint_THTPad_D1.5mm_Drill0.7mm]  20.32 44.45 0 top
REF**#547  -  [TestPoint_THTPad_D1.5mm_Drill0.7mm]  38.1 64.77 0 top
REF**#548  -  [TestPoint_THTPad_D1.5mm_Drill0.7mm]  43.18 67.31 0 top
REF**#549  -  [TestPoint_THTPad_D1.5mm_Drill0.7mm]  55.88 77.47 0 top
REF**#550  -  [TestPoint_THTPad_D1.5mm_Drill0.7mm]  27.94 74.93 0 top
REF**#551  -  [TestPoint_THTPad_D1.5mm_Drill0.7mm]  15.24 59.69 0 top
REF**#552  -  [TestPoint_THTPad_D1.5mm_Drill0.7mm]  73.66 69.85 0 top
REF**#553  -  [TestPoint_THTPad_D1.5mm_Drill0.7mm]  45.72 54.61 0 top
REF**#554  -  [TestPoint_THTPad_D1.5mm_Drill0.7mm]  78.74 46.99 0 top
REF**#555  -  [TestPoint_THTPad_D1.5mm_Drill0.7mm]  71.12 46.99 0 top
REF**#556  -  [TestPoint_THTPad_D1.5mm_Drill0.7mm]  66.04 31.75 0 top
REF**#557  -  [TestPoint_THTPad_D1.5mm_Drill0.7mm]  88.9 34.29 0 top
REF**#558  -  [TestPoint_THTPad_D1.5mm_Drill0.7mm]  50.8 92.71 0 top
REF**#559  -  [TestPoint_THTPad_D1.5mm_Drill0.7mm]  55.88 90.17 0 top
REF**#560  -  [TestPoint_THTPad_D1.5mm_Drill0.7mm]  5.08 77.47 0 top
REF**#561  -  [TestPoint_THTPad_D1.5mm_Drill0.7mm]  17.78 59.69 0 top
REF**#562  -  [TestPoint_THTPad_D1.5mm_Drill0.7mm]  30.48 69.85 0 top
REF**#563  -  [TestPoint_THTPad_D1.5mm_Drill0.7mm]  68.58 46.99 0 top
REF**#564  -  [TestPoint_THTPad_D1.5mm_Drill0.7mm]  27.94 85.09 0 top
REF**#565  -  [TestPoint_THTPad_D1.5mm_Drill0.7mm]  35.56 74.93 0 top
REF**#566  -  [TestPoint_THTPad_D1.5mm_Drill0.7mm]  63.5 44.45 0 top
REF**#567  -  [TestPoint_THTPad_D1.5mm_Drill0.7mm]  83.82 29.21 0 top
REF**#568  -  [TestPoint_THTPad_D1.5mm_Drill0.7mm]  20.32 85.09 0 top
REF**#569  -  [TestPoint_THTPad_D1.5mm_Drill0.7mm]  86.36 49.53 0 top
REF**#570  -  [TestPoint_THTPad_D1.5mm_Drill0.7mm]  58.42 72.39 0 top
REF**#571  -  [TestPoint_THTPad_D1.5mm_Drill0.7mm]  30.48 77.47 0 top
REF**#572  -  [TestPoint_THTPad_D1.5mm_Drill0.7mm]  76.2 82.55 0 top
REF**#573  -  [TestPoint_THTPad_D1.5mm_Drill0.7mm]  7.62 62.23 0 top
REF**#574  -  [TestPoint_THTPad_D1.5mm_Drill0.7mm]  22.86 54.61 0 top
REF**#575  -  [TestPoint_THTPad_D1.5mm_Drill0.7mm]  33.02 67.31 0 top
REF**#576  -  [TestPoint_THTPad_D1.5mm_Drill0.7mm]  83.82 64.77 0 top
REF**#577  -  [TestPoint_THTPad_D1.5mm_Drill0.7mm]  35.56 64.77 0 top
REF**#578  -  [TestPoint_THTPad_D1.5mm_Drill0.7mm]  10.16 82.55 0 top
REF**#579  -  [TestPoint_THTPad_D1.5mm_Drill0.7mm]  60.96 52.07 0 top
REF**#580  -  [TestPoint_THTPad_D1.5mm_Drill0.7mm]  43.18 59.69 0 top
REF**#581  -  [TestPoint_THTPad_D1.5mm_Drill0.7mm]  73.66 82.55 0 top
REF**#582  -  [TestPoint_THTPad_D1.5mm_Drill0.7mm]  68.58 64.77 0 top
REF**#583  -  [TestPoint_THTPad_D1.5mm_Drill0.7mm]  10.16 95.25 0 top
REF**#584  -  [TestPoint_THTPad_D1.5mm_Drill0.7mm]  93.98 59.69 0 top
REF**#585  -  [TestPoint_THTPad_D1.5mm_Drill0.7mm]  63.5 64.77 0 top
REF**#586  -  [TestPoint_THTPad_D1.5mm_Drill0.7mm]  53.34 46.99 0 top
REF**#587  -  [TestPoint_THTPad_D1.5mm_Drill0.7mm]  86.36 64.77 0 top
REF**#588  -  [TestPoint_THTPad_D1.5mm_Drill0.7mm]  88.9 31.75 0 top
REF**#589  -  [TestPoint_THTPad_D1.5mm_Drill0.7mm]  40.64 41.91 0 top
REF**#590  -  [TestPoint_THTPad_D1.5mm_Drill0.7mm]  68.58 54.61 0 top
REF**#591  -  [TestPoint_THTPad_D1.5mm_Drill0.7mm]  10.16 85.09 0 top
REF**#592  -  [TestPoint_THTPad_D1.5mm_Drill0.7mm]  58.42 31.75 0 top
REF**#593  -  [TestPoint_THTPad_D1.5mm_Drill0.7mm]  58.42 82.55 0 top
REF**#594  -  [TestPoint_THTPad_D1.5mm_Drill0.7mm]  66.04 59.69 0 top
REF**#595  -  [TestPoint_THTPad_D1.5mm_Drill0.7mm]  5.08 54.61 0 top
REF**#596  -  [TestPoint_THTPad_D1.5mm_Drill0.7mm]  50.8 95.25 0 top
REF**#597  -  [TestPoint_THTPad_D1.5mm_Drill0.7mm]  63.5 90.17 0 top
REF**#598  -  [TestPoint_THTPad_D1.5mm_Drill0.7mm]  30.48 39.37 0 top
REF**#599  -  [TestPoint_THTPad_D1.5mm_Drill0.7mm]  63.5 57.15 0 top
REF**#600  -  [TestPoint_THTPad_D1.5mm_Drill0.7mm]  60.96 92.71 0 top
REF**#601  -  [TestPoint_THTPad_D1.5mm_Drill0.7mm]  83.82 44.45 0 top
REF**#602  -  [TestPoint_THTPad_D1.5mm_Drill0.7mm]  63.5 62.23 0 top
REF**#603  -  [TestPoint_THTPad_D1.5mm_Drill0.7mm]  35.56 92.71 0 top
REF**#604  -  [TestPoint_THTPad_D1.5mm_Drill0.7mm]  45.72 77.47 0 top
REF**#605  -  [TestPoint_THTPad_D1.5mm_Drill0.7mm]  58.42 39.37 0 top
REF**#606  -  [TestPoint_THTPad_D1.5mm_Drill0.7mm]  73.66 80.01 0 top
REF**#607  -  [TestPoint_THTPad_D1.5mm_Drill0.7mm]  73.66 36.83 0 top
REF**#608  -  [TestPoint_THTPad_D1.5mm_Drill0.7mm]  73.66 77.47 0 top
REF**#609  -  [TestPoint_THTPad_D1.5mm_Drill0.7mm]  17.78 31.75 0 top
REF**#610  -  [TestPoint_THTPad_D1.5mm_Drill0.7mm]  93.98 80.01 0 top
REF**#611  -  [TestPoint_THTPad_D1.5mm_Drill0.7mm]  22.86 95.25 0 top
REF**#612  -  [TestPoint_THTPad_D1.5mm_Drill0.7mm]  55.88 44.45 0 top
REF**#613  -  [TestPoint_THTPad_D1.5mm_Drill0.7mm]  83.82 72.39 0 top
REF**#614  -  [TestPoint_THTPad_D1.5mm_Drill0.7mm]  73.66 87.63 0 top
REF**#615  -  [TestPoint_THTPad_D1.5mm_Drill0.7mm]  35.56 57.15 0 top
REF**#616  -  [TestPoint_THTPad_D1.5mm_Drill0.7mm]  81.28 52.07 0 top
REF**#617  -  [TestPoint_THTPad_D1.5mm_Drill0.7mm]  53.34 39.37 0 top
REF**#618  -  [TestPoint_THTPad_D1.5mm_Drill0.7mm]  81.28 64.77 0 top
REF**#619  -  [TestPoint_THTPad_D1.5mm_Drill0.7mm]  43.18 85.09 0 top
REF**#620  -  [TestPoint_THTPad_D1.5mm_Drill0.7mm]  93.98 49.53 0 top
REF**#621  -  [TestPoint_THTPad_D1.5mm_Drill0.7mm]  17.78 41.91 0 top
REF**#622  -  [TestPoint_THTPad_D1.5mm_Drill0.7mm]  66.04 77.47 0 top
REF**#623  -  [TestPoint_THTPad_D1.5mm_Drill0.7mm]  81.28 80.01 0 top
REF**#624  -  [TestPoint_THTPad_D1.5mm_Drill0.7mm]  48.26 72.39 0 top
REF**#625  -  [TestPoint_THTPad_D1.5mm_Drill0.7mm]  71.12 49.53 0 top
REF**#626  -  [TestPoint_THTPad_D1.5mm_Drill0.7mm]  22.86 69.85 0 top
REF**#627  -  [TestPoint_THTPad_D1.5mm_Drill0.7mm]  63.5 34.29 0 top
REF**#628  -  [TestPoint_THTPad_D1.5mm_Drill0.7mm]  63.5 85.09 0 top
REF**#629  -  [TestPoint_THTPad_D1.5mm_Drill0.7mm]  43.18 49.53 0 top
REF**#630  -  [TestPoint_THTPad_D1.5mm_Drill0.7mm]  30.48 90.17 0 top
REF**#631  -  [TestPoint_THTPad_D1.5mm_Drill0.7mm]  17.78 62.23 0 top
REF**#632  -  [TestPoint_THTPad_D1.5mm_Drill0.7mm]  7.62 72.39 0 top
REF**#633  -  [TestPoint_THTPad_D1.5mm_Drill0.7mm]  58.42 59.69 0 top
REF**#634  -  [TestPoint_THTPad_D1.5mm_Drill0.7mm]  76.2 41.91 0 top
REF**#635  -  [TestPoint_THTPad_D1.5mm_Drill0.7mm]  78.74 59.69 0 top
REF**#636  -  [TestPoint_THTPad_D1.5mm_Drill0.7mm]  76.2 29.21 0 top
REF**#637  -  [TestPoint_THTPad_D1.5mm_Drill0.7mm]  63.5 49.53 0 top
REF**#638  -  [TestPoint_THTPad_D1.5mm_Drill0.7mm]  55.88 74.93 0 top
REF**#639  -  [TestPoint_THTPad_D1.5mm_Drill0.7mm]  86.36 34.29 0 top
REF**#640  -  [TestPoint_THTPad_D1.5mm_Drill0.7mm]  40.64 62.23 0 top
REF**#641  -  [TestPoint_THTPad_D1.5mm_Drill0.7mm]  38.1 77.47 0 top
REF**#642  -  [TestPoint_THTPad_D1.5mm_Drill0.7mm]  93.98 85.09 0 top
REF**#643  -  [TestPoint_THTPad_D1.5mm_Drill0.7mm]  68.58 80.01 0 top
REF**#644  -  [TestPoint_THTPad_D1.5mm_Drill0.7mm]  30.48 36.83 0 top
REF**#645  -  [TestPoint_THTPad_D1.5mm_Drill0.7mm]  17.78 92.71 0 top
REF**#646  -  [TestPoint_THTPad_D1.5mm_Drill0.7mm]  71.12 64.77 0 top
REF**#647  -  [TestPoint_THTPad_D1.5mm_Drill0.7mm]  27.94 67.31 0 top
REF**#648  -  [TestPoint_THTPad_D1.5mm_Drill0.7mm]  66.04 39.37 0 top
REF**#649  -  [TestPoint_THTPad_D1.5mm_Drill0.7mm]  83.82 77.47 0 top
REF**#650  -  [TestPoint_THTPad_D1.5mm_Drill0.7mm]  10.16 67.31 0 top
REF**#651  -  [TestPoint_THTPad_D1.5mm_Drill0.7mm]  91.44 31.75 0 top
REF**#652  -  [TestPoint_THTPad_D1.5mm_Drill0.7mm]  71.12 31.75 0 top
REF**#653  -  [TestPoint_THTPad_D1.5mm_Drill0.7mm]  58.42 80.01 0 top
REF**#654  -  [TestPoint_THTPad_D1.5mm_Drill0.7mm]  50.8 69.85 0 top
REF**#655  -  [TestPoint_THTPad_D1.5mm_Drill0.7mm]  22.86 80.01 0 top
REF**#656  -  [TestPoint_THTPad_D1.5mm_Drill0.7mm]  78.74 80.01 0 top
REF**#657  -  [TestPoint_THTPad_D1.5mm_Drill0.7mm]  15.24 62.23 0 top
REF**#658  -  [TestPoint_THTPad_D1.5mm_Drill0.7mm]  78.74 54.61 0 top
REF**#659  -  [TestPoint_THTPad_D1.5mm_Drill0.7mm]  55.88 57.15 0 top
REF**#660  -  [TestPoint_THTPad_D1.5mm_Drill0.7mm]  17.78 44.45 0 top
REF**#661  -  [TestPoint_THTPad_D1.5mm_Drill0.7mm]  20.32 69.85 0 top
REF**#662  -  [TestPoint_THTPad_D1.5mm_Drill0.7mm]  73.66 52.07 0 top
REF**#663  -  [TestPoint_THTPad_D1.5mm_Drill0.7mm]  63.5 31.75 0 top
REF**#664  -  [TestPoint_THTPad_D1.5mm_Drill0.7mm]  12.7 85.09 0 top
REF**#665  -  [TestPoint_THTPad_D1.5mm_Drill0.7mm]  55.88 69.85 0 top
REF**#666  -  [TestPoint_THTPad_D1.5mm_Drill0.7mm]  60.96 59.69 0 top
REF**#667  -  [TestPoint_THTPad_D1.5mm_Drill0.7mm]  15.24 57.15 0 top
REF**#668  -  [TestPoint_THTPad_D1.5mm_Drill0.7mm]  78.74 64.77 0 top
REF**#669  -  [TestPoint_THTPad_D1.5mm_Drill0.7mm]  50.8 39.37 0 top
REF**#670  -  [TestPoint_THTPad_D1.5mm_Drill0.7mm]  40.64 46.99 0 top
REF**#671  -  [TestPoint_THTPad_D1.5mm_Drill0.7mm]  93.98 29.21 0 top
REF**#672  -  [TestPoint_THTPad_D1.5mm_Drill0.7mm]  91.44 82.55 0 top
REF**#673  -  [TestPoint_THTPad_D1.5mm_Drill0.7mm]  7.62 57.15 0 top
REF**#674  -  [TestPoint_THTPad_D1.5mm_Drill0.7mm]  38.1 62.23 0 top
REF**#675  -  [TestPoint_THTPad_D1.5mm_Drill0.7mm]  60.96 67.31 0 top
REF**#676  -  [TestPoint_THTPad_D1.5mm_Drill0.7mm]  40.64 44.45 0 top
REF**#677  -  [TestPoint_THTPad_D1.5mm_Drill0.7mm]  86.36 77.47 0 top
REF**#678  -  [TestPoint_THTPad_D1.5mm_Drill0.7mm]  12.7 74.93 0 top
REF**#679  -  [TestPoint_THTPad_D1.5mm_Drill0.7mm]  25.4 49.53 0 top
REF**#680  -  [TestPoint_THTPad_D1.5mm_Drill0.7mm]  78.74 49.53 0 top
REF**#681  -  [TestPoint_THTPad_D1.5mm_Drill0.7mm]  35.56 82.55 0 top
REF**#682  -  [TestPoint_THTPad_D1.5mm_Drill0.7mm]  88.9 46.99 0 top
REF**#683  -  [TestPoint_THTPad_D1.5mm_Drill0.7mm]  71.12 62.23 0 top
REF**#684  -  [TestPoint_THTPad_D1.5mm_Drill0.7mm]  30.48 49.53 0 top
REF**#685  -  [TestPoint_THTPad_D1.5mm_Drill0.7mm]  5.08 29.21 0 top
REF**#686  -  [TestPoint_THTPad_D1.5mm_Drill0.7mm]  20.32 92.71 0 top
REF**#687  -  [TestPoint_THTPad_D1.5mm_Drill0.7mm]  66.04 85.09 0 top
REF**#688  -  [TestPoint_THTPad_D1.5mm_Drill0.7mm]  33.02 77.47 0 top
REF**#689  -  [TestPoint_THTPad_D1.5mm_Drill0.7mm]  60.96 64.77 0 top
REF**#690  -  [TestPoint_THTPad_D1.5mm_Drill0.7mm]  68.58 31.75 0 top
REF**#691  -  [TestPoint_THTPad_D1.5mm_Drill0.7mm]  7.62 74.93 0 top
REF**#692  -  [TestPoint_THTPad_D1.5mm_Drill0.7mm]  83.82 59.69 0 top
